# Altium PCB Shaheen.PcbDoc (part 4 of 4)
Units mm, origin at the board's own origin, x right, y up, seen from the top; angles counter-clockwise.
Board outline 102.4 x 144.2 mm, 4 copper layers (Top Layer, GND1, POWER, Bottom Layer), stack 0.89 mm thick; 163 components, 248 nets, 932 pads, 530 vias.
Unrouted connection lines stored in the file: 1.
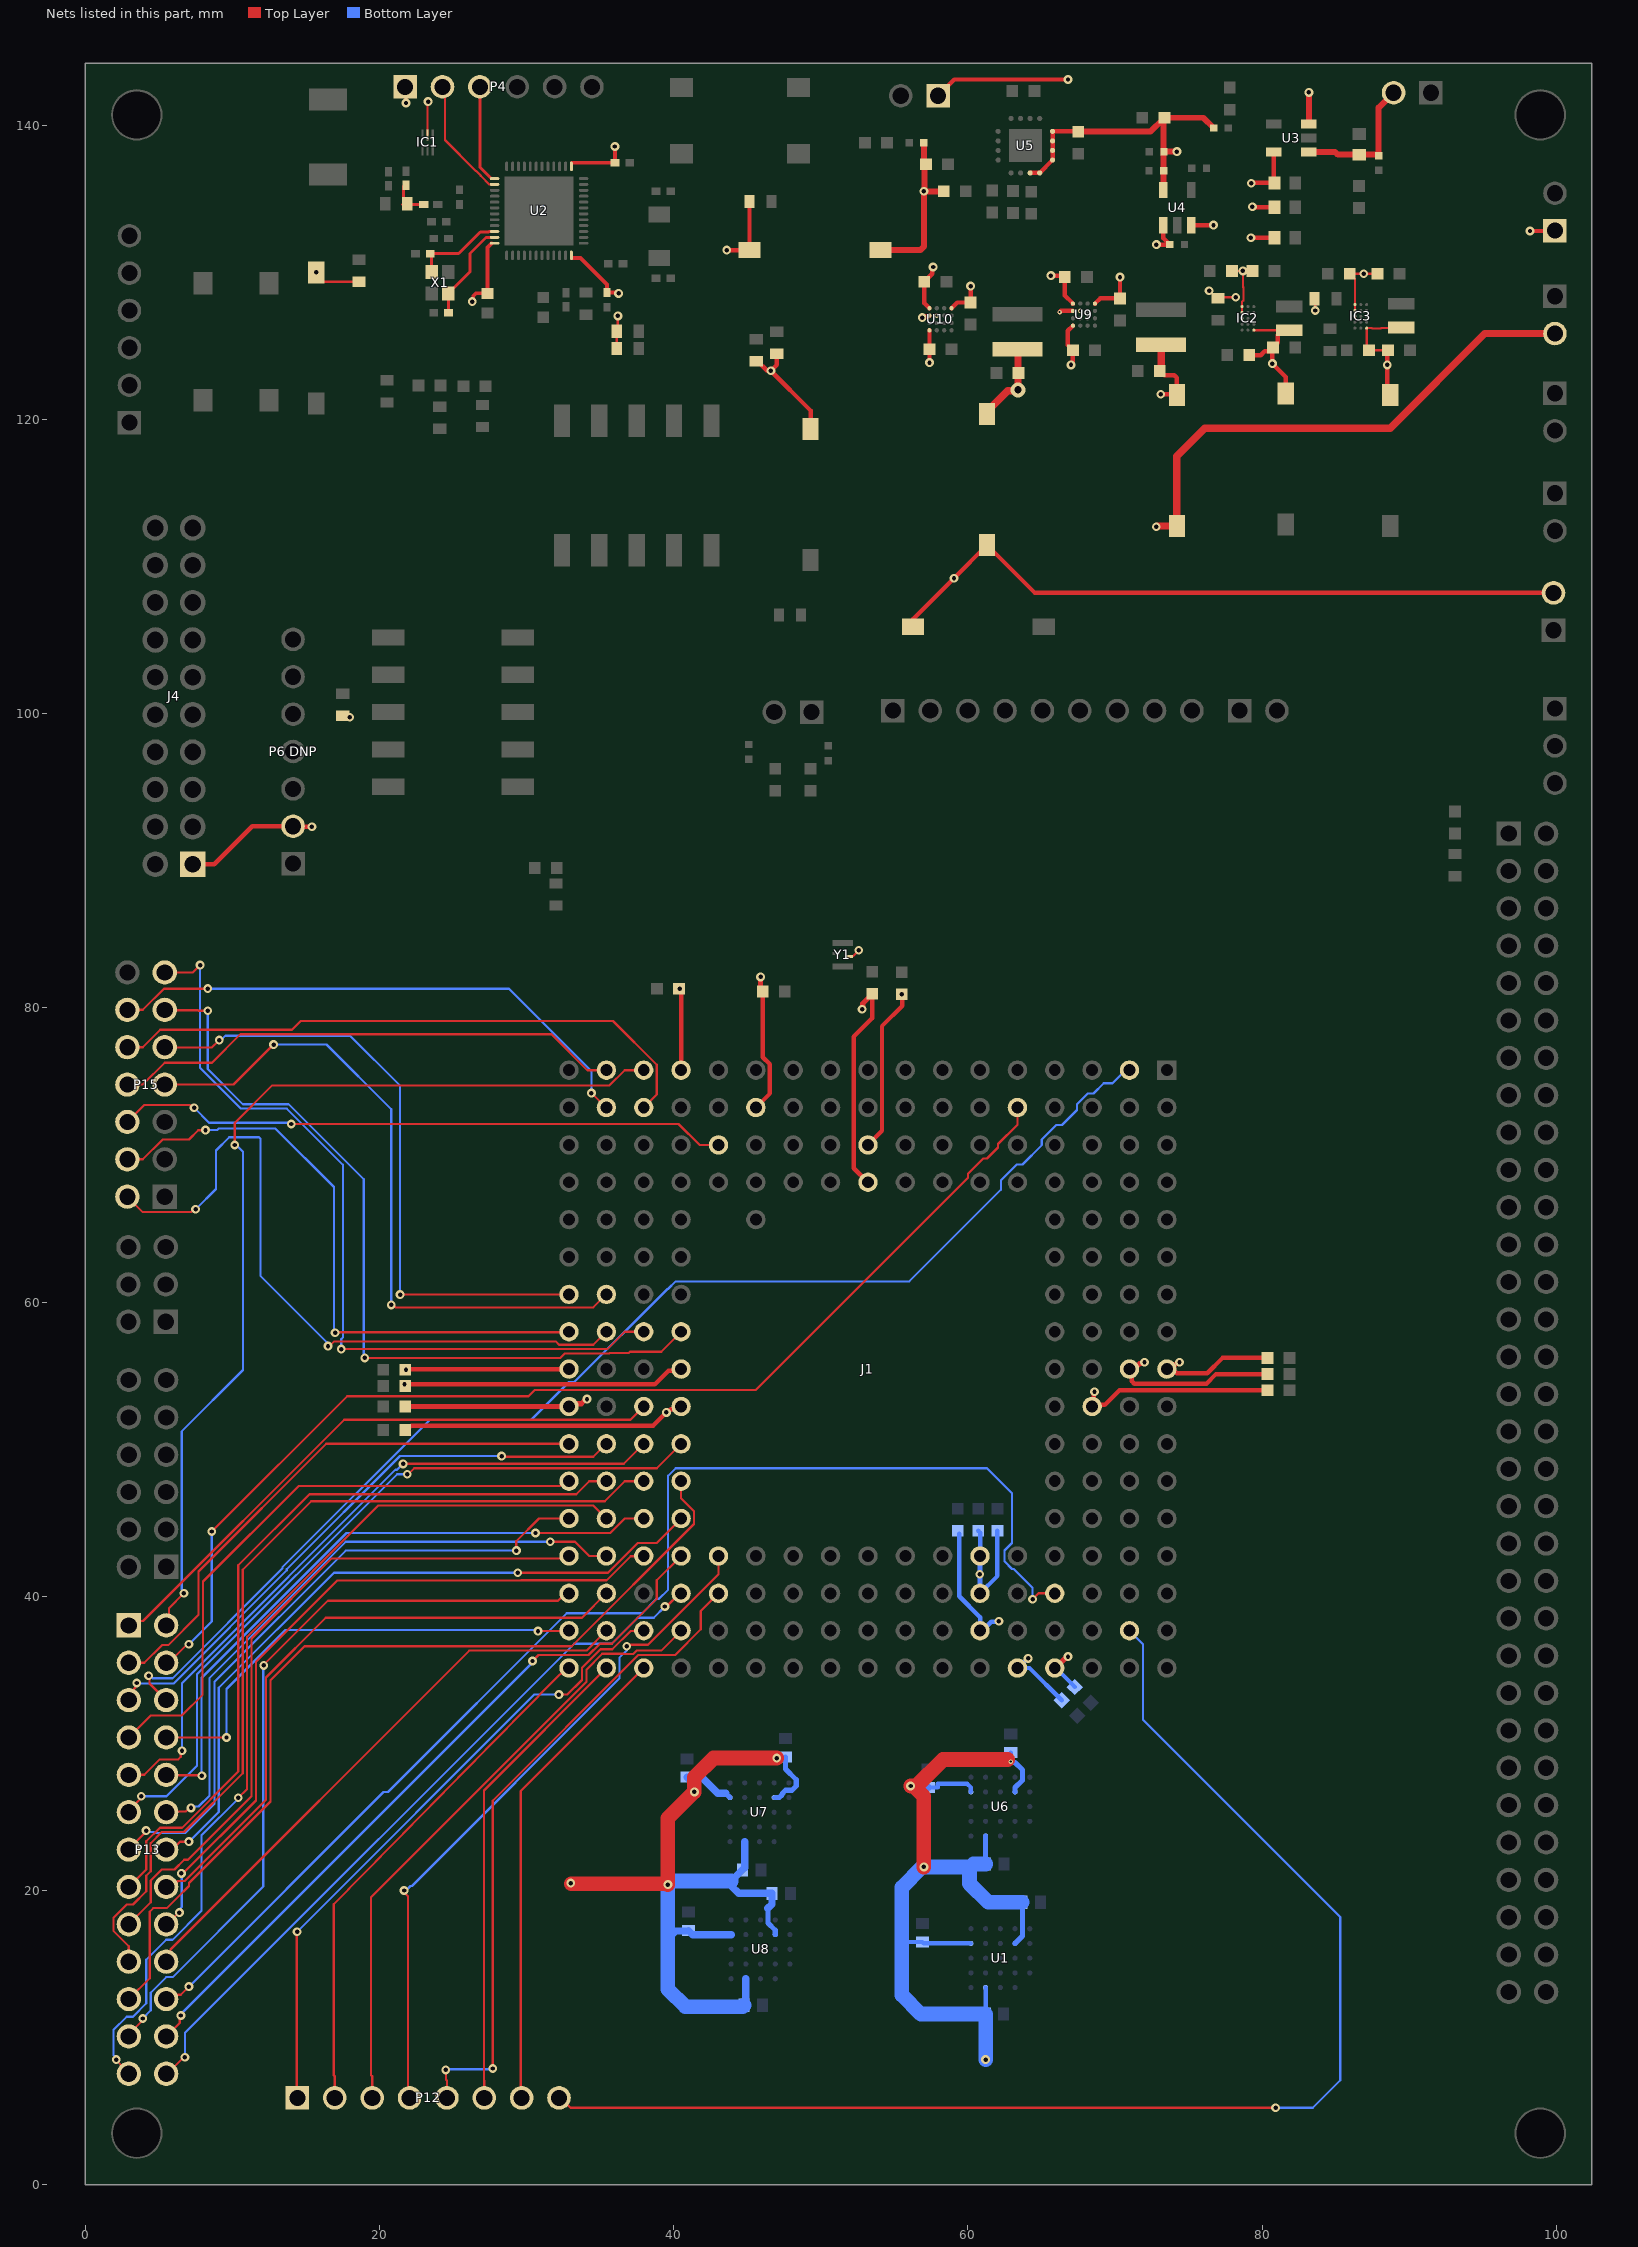
[diagram p6: the nets of this part, all layers, seen from the top]

## Via types
v1: diameter 0.6, hole 0.3, Top Layer to Bottom Layer, tented both sides, 440 vias
v2: diameter 0.3, hole 0.15, Top Layer to Bottom Layer, tented both sides, 87 vias
v3: diameter 1, hole 0.5, Top Layer to Bottom Layer, tented both sides, 2 vias
v4: diameter 0.3, hole 0.15, Top Layer to Bottom Layer, 1 vias

## Nets (pads, with @x,y where several pads share a name; then routed paths per layer and width w, separated by ;. In a path a pad name is that pad's centre, name@x,y a point inside that pad or via, vN(x,y) a via of type N, cw(c..) or ccw(c..) an arc to the next point about the centre after c; other vN are vias at no path point) (continued)
PAD_GPIO_E3: J1.B7 P15.7 | length 46.8
  Top Layer w0.15: P15.7@5.494,74.686 P15.7@5.4,74.78 10.08,74.78 v1(12.8,77.5) ; v1(20.8,59.8) 20.922,59.8 21.085,59.637 34.537,59.637 J1.B7@35.42,60.52
  Bottom Layer w0.15: v1(12.8,77.5) 16.4,77.5 20.8,73.1 v1(20.8,59.8)
PAD_GPIO_E4: J1.A7 P15.9 | length 43.4
  Top Layer w0.15: P15.9@5.4,77.32 5.41,77.31 8.61,77.31 v1(9.1,77.8) ; v1(21.4,60.5) 21.41,60.51 32.87,60.51 J1.A7@32.88,60.52
  Bottom Layer w0.15: v1(9.1,77.8) 9.222,77.8 9.522,78.1 18,78.1 21.4,74.7 v1(21.4,60.5)
PAD_GPIO_E5: J1.D8 P15.11 | length 55
  Top Layer w0.15: P15.11@5.4,79.86 5.43,79.83 7.67,79.83 7.7,79.8 v1(8.325,79.8) ; v1(19,56.2) 32.287,56.2 32.584,56.497 35.61,56.497 35.638,56.525 36.929,56.525 37.027,56.623 39.143,56.623 J1.D8@40.5,57.98
  Bottom Layer w0.15: v1(8.325,79.8) 8.325,75.833 10.711,73.446 13.821,73.446 18.925,68.342 18.925,56.275 v1(19,56.2)
PAD_GPIO_E6: J1.C8 P15.13 | length 55.6
  Top Layer w0.15: P15.13@5.4,82.4 7.3,82.4 v1(7.8,82.9) ; v1(17.4,56.8) 25.729,56.8 25.732,56.797 35.486,56.797 36.669,57.98 J1.C8@37.96,57.98
  Bottom Layer w0.15: v1(7.8,82.9) 7.8,75.933 10.587,73.146 13.696,73.146 17.508,69.334 17.508,57.582 17.4,57.474 v1(17.4,56.8)
PAD_GPIO_E7: J1.B8 P15.2 | length 48.7
  Top Layer w0.15: P15.2@2.86,67.16 3.91,66.11 7.188,66.11 7.378,66.3 v1(7.5,66.3) ; v1(16.5,57) 16.592,57 16.917,57.325 31.975,57.325 32.203,57.097 34.537,57.097 J1.B8@35.42,57.98
  Bottom Layer w0.15: v1(7.5,66.3) 8.889,67.689 8.889,70.298 9.791,71.2 11.812,71.2 11.9,71.112 11.9,61.788 16.414,57.274 16.414,57.086 v1(16.5,57)
PAD_GPIO_E8: J1.A8 P15.4 | length 42.4
  Top Layer w0.15: P15.4@2.86,69.7 3.915,69.7 5.266,71.05 7.05,71.05 7.675,71.675 8.16,71.675 v1(8.174,71.689) ; v1(16.983,57.917) 17.015,57.948 32.848,57.948 J1.A8@32.88,57.98
  Bottom Layer w0.15: v1(8.174,71.689) 8.964,71.689 9.076,71.8 12.917,71.8 16.9,67.817 16.9,58 v1(16.983,57.917)
PAD_GPIO_E9: J1.E3 P15.6 | length 41.8
  Top Layer w0.15: P15.6@2.86,72.24 4.02,73.4 7.087,73.4 7.287,73.2 v1(7.4,73.2) ; v1(14,72.1) 40.329,72.1 41.749,70.68 J1.E3@43.04,70.68
  Bottom Layer w0.15: v1(7.4,73.2) 8.414,72.186 13.914,72.186 v1(14,72.1)
PAD_GPIO_E10: J1.B1 P15.8 | length 35
  Top Layer w0.15: P15.8@2.86,74.78 3.915,74.78 5.405,76.27 8.612,76.27 10.542,78.2 31.689,78.2 34.129,75.76 J1.B1@35.42,75.76
PAD_GPIO_E11: J1.C2 P15.10 | length 41.2
  Top Layer w0.15: P15.10@2.86,77.32 3.915,77.32 5.095,78.5 14.054,78.5 14.654,79.1 35.869,79.1 38.843,76.126 38.843,74.103 J1.C2@37.96,73.22
PAD_GPIO_E12: J1.B2 P15.12 | length 37.4
  Top Layer w0.15: P15.12@2.86,79.86 3.915,79.86 5.355,81.3 v1(8.325,81.3) ; v1(34.4,74.2) 34.42,74.2 35.4,73.22 J1.B2@35.42,73.22
  Bottom Layer w0.15: v1(8.325,81.3) 28.8,81.3 34.4,75.7 v1(34.4,74.2)
PAD_GPIO_F0: J1.C10 P13.1 | length 41.2
  Top Layer w0.15: P13.1@2.96,38.02 3.262,38.322 3.922,38.322 17.594,51.994 37.054,51.994 J1.C10@37.96,52.9
PAD_GPIO_F1: J1.A11 P13.3 | length 37.8
  Top Layer w0.15: P13.3@2.96,35.48 4.015,35.48 5.211,36.676 5.641,36.676 7.7,38.735 7.7,41.676 16.384,50.36 J1.A11@32.88,50.36
PAD_GPIO_F2: J1.B11 P13.5 | length 40.1
  Top Layer w0.15: P13.5@2.96,32.94 2.96,33.346 3.414,33.8 3.414,34.014 v1(3.5,34.1) ; v1(28.3,49.528) 28.351,49.477 34.537,49.477 J1.B11@35.42,50.36
  Bottom Layer w0.15: v1(3.5,34.1) 3.525,34.075 6.004,34.075 13.695,41.766 13.695,41.837 21.386,49.528 v1(28.3,49.528)
PAD_GPIO_F3: J1.A12 P13.7 | length 41.6
  Top Layer w0.15: P13.7@2.96,30.4 4.45,31.89 6.566,31.89 7.975,33.299 7.975,36.425 8,36.45 8,41 14.5,47.5 32.245,47.5 32.565,47.82 J1.A12@32.88,47.82
PAD_GPIO_F4: J1.C11 P13.9 | length 47.2
  Top Layer w0.15: P13.9@2.96,27.86 4.015,27.86 5.065,28.91 6.316,28.91 6.489,29.082 6.489,29.414 v1(6.575,29.5) ; v1(21.6,49) 21.603,49.003 36.603,49.003 J1.C11@37.96,50.36
  Bottom Layer w0.15: v1(6.575,29.5) 6.575,34.09 21.077,48.592 21.192,48.592 v1(21.6,49)
PAD_GPIO_F5: J1.D11 P13.11 | length 51.7
  Top Layer w0.15: P13.11@2.96,25.32 2.96,25.44 3.8,26.28 v1(3.8,26.4) ; v1(21.89,48.292) 21.952,48.292 22.364,48.703 38.843,48.703 J1.D11@40.5,50.36
  Bottom Layer w0.15: v1(3.8,26.4) 5.525,26.4 7.6,28.475 7.6,34.691 21.201,48.292 v1(21.89,48.292)
PAD_GPIO_F6: J1.A13 P13.13 | length 44.7
  Top Layer w0.15: P13.13@2.96,22.78 3.07,22.78 3.07,22.946 4.134,24.01 v1(4.134,24.066) ; v1(29.3,43.1) 29.3,43.742 30.838,45.28 J1.A13@32.88,45.28
  Bottom Layer w0.15: v1(4.134,24.066) 4.22,23.98 4.654,23.98 4.734,23.9 6.8,23.9 8.775,25.875 8.775,34.175 17.7,43.1 v1(29.3,43.1)
PAD_GPIO_F7: J1.B12 P13.15 | length 53.2
  Top Layer w0.15: P13.15@2.96,20.24 4.15,21.43 4.15,23.339 5.081,24.27 6.582,24.27 10.4,28.088 10.4,42.1 15.238,46.938 15.362,46.938 ; 15.363,46.937 33.368,46.937 34.251,47.82 J1.B12@35.42,47.82
PAD_GPIO_F8: J1.A14 P13.17 | length 47.4
  Top Layer w0.15: P13.17@2.96,17.7 4.45,19.19 4.45,20.675 5.205,21.43 6.059,21.43 6.723,22.094 6.982,22.094 11.3,26.412 11.3,37.124 16.751,42.575 32.715,42.575 J1.A14@32.88,42.74
PAD_GPIO_F9: J1.C12 P13.19 | length 61.6
  Top Layer w0.15: P13.19@2.96,15.16 2.96,16.215 1.91,17.265 1.91,18.135 2.815,19.04 3.245,19.04 4.15,19.945 4.15,21.006 4.45,21.306 4.45,23.215 5.205,23.97 6.706,23.97 10.7,27.964 10.7,41.8 15.363,46.463 35.312,46.463 36.669,47.82 J1.C12@37.96,47.82
PAD_GPIO_F10: J1.D12 P13.21 | length 62.7
  Top Layer w0.15: P13.21@2.96,12.62 4.376,14.036 4.376,18.56 4.616,18.8 5.545,18.8 6.242,19.498 7.045,20.3 7.045,20.507 12.584,26.045 12.584,34.284 14.903,36.603 33.072,36.603 41.383,44.914 41.383,45.768 40.5,46.651 J1.D12@40.5,47.82
PAD_GPIO_F11: J1.A15 P13.23 | length 52.1
  Top Layer w0.15: P13.23@2.96,10.08 2.96,10.238 3.9,11.178 v1(3.9,11.3) ; v1(12.125,35.3) 12.125,35.337 16.488,39.7 32.131,39.7 32.631,40.2 J1.A15@32.88,40.2
  Bottom Layer w0.15: v1(3.9,11.3) 4.45,11.85 4.45,13.055 5.505,14.11 5.935,14.11 12.1,20.275 12.1,35.275 v1(12.125,35.3)
PAD_GPIO_F12: J1.B13 P13.25 | length 62.9
  Top Layer w0.15: v1(2.1,8.5) 2.1,8.45 2.96,7.59 P13.25@2.96,7.54 ; v1(10.4,26.3) 11,26.9 11,37.249 19.915,46.163 34.537,46.163 J1.B13@35.42,45.28
  Bottom Layer w0.15: v1(2.1,8.5) 2.1,8.622 1.91,8.812 1.91,10.515 2.815,11.42 3.245,11.42 4.15,12.325 4.15,15.295 5.505,16.65 5.935,16.65 7.904,18.62 7.904,23.746 10.4,26.242 v1(10.4,26.3)
PAD_GPIO_F13: J1.C1 P13.2 | length 66
  Top Layer w0.15: P13.2@5.5,38.02 5.692,38.212 5.692,39.192 v1(6.7,40.2) ; v1(10.16,70.675) 10.16,72.167 12.717,74.725 35.634,74.725 36.669,75.76 J1.C1@37.96,75.76
  Bottom Layer w0.15: v1(6.7,40.2) 6.7,40.322 6.55,40.472 6.55,51.208 10.725,55.383 10.725,70.21 10.26,70.675 v1(10.16,70.675)
PAD_GPIO_F14: J1.N2 P13.4 | length 78
  Top Layer w0.15: P13.4@5.5,35.48 5.67,35.48 6.923,36.733 v1(7.045,36.733) ; v1(8.599,44.401) 17.798,53.6 30.123,53.6 30.548,54.025 45.565,54.025 59.995,68.454 59.995,68.715 61.031,69.752 61.292,69.752 62.042,70.502 62.042,70.738 63.36,72.056 J1.N2@63.36,73.22
  Bottom Layer w0.15: v1(7.045,36.733) 8.599,38.287 v1(8.599,44.401)
PAD_GPIO_F15: J1.S1 P13.6 | length 86.9
  Top Layer w0.15: v1(4.3,34.6) 4.365,34.535 4.365,34.075 P13.6@5.5,32.94
  Bottom Layer w0.15: v1(4.3,34.6) 4.422,34.6 4.592,34.43 5.935,34.43 13.395,41.89 13.395,41.962 23.408,51.975 30.301,51.975 32.883,54.557 33.246,54.557 39.569,60.881 39.612,60.881 40.134,61.403 56.003,61.403 62.236,67.636 62.236,68.265 63.319,69.348 63.701,69.348 65.017,70.664 65.017,71.046 66.008,72.037 66.39,72.037 67.408,73.055 67.408,73.437 68.149,74.178 68.531,74.178 69.23,74.877 69.819,74.877 70.702,75.76 J1.S1@70.98,75.76
PAD_GPIO_F16: J1.A16 P13.8 | length 32.4
  Top Layer w0.15: P13.8@5.5,30.4 v1(9.6,30.4) ; v1(30.771,37.629) 30.786,37.645 32.865,37.645 J1.A16@32.88,37.66
  Bottom Layer w0.15: v1(9.6,30.4) 9.6,33.7 13.6,37.7 30.7,37.7 v1(30.771,37.629)
PAD_GPIO_F17: J1.C13 P13.10 | length 43.7
  Top Layer w0.15: P13.10@5.5,27.86 5.53,27.83 7.895,27.83 v1(7.925,27.8) ; v1(30.6,44.3) 35.689,44.3 36.669,45.28 J1.C13@37.96,45.28
  Bottom Layer w0.15: v1(7.925,27.8) 7.9,27.825 7.9,34.442 17.758,44.3 v1(30.6,44.3)
PAD_GPIO_F18: J1.B14 P13.12 | length 42.6
  Top Layer w0.15: P13.12@5.5,25.32 5.54,25.36 6.808,25.36 7.063,25.615 v1(7.185,25.615) ; v1(31.6,43.7) 33.291,43.7 34.251,42.74 J1.B14@35.42,42.74
  Bottom Layer w0.15: v1(7.185,25.615) 7.271,25.701 7.701,25.701 8.45,26.45 8.45,34.45 17.7,43.7 v1(31.6,43.7)
PAD_GPIO_F19: J1.D13 P13.14 | length 49.3
  Top Layer w0.15: P13.14@5.5,22.78 5.906,22.78 6.437,23.311 7.032,23.311 v1(7.045,23.324) ; v1(29.4,41.6) 35.529,41.6 37.552,43.623 38.843,43.623 40.4,45.18 40.4,45.2 40.48,45.28 J1.D13@40.5,45.28
  Bottom Layer w0.15: v1(7.045,23.324) 7.058,23.324 9.075,25.341 9.075,33.775 16.9,41.6 v1(29.4,41.6)
PAD_GPIO_F20: J1.B15 P13.16 | length 43.1
  Top Layer w0.15: P13.16@5.5,20.24 5.906,20.24 6.305,20.639 6.753,20.639 12.284,26.169 12.284,34.484 16.343,38.543 33.763,38.543 J1.B15@35.42,40.2
PAD_GPIO_F21: J1.C14 P13.18 | length 49.9
  Top Layer w0.15: P13.18@5.5,17.7 5.554,17.7 6.346,18.492 v1(6.4,18.492) ; v1(6.536,21.164) 6.648,21.164 11.6,26.117 11.6,35.542 17.133,41.075 29.617,41.075 29.625,41.083 35.436,41.083 37.077,42.724 37.944,42.724 J1.C14@37.96,42.74
  Bottom Layer w0.15: v1(6.4,18.492) 6.486,18.579 6.486,18.808 6.55,18.872 6.55,21.15 v1(6.536,21.164)
PAD_GPIO_F22: J1.B16 P13.20 | length 39.6
  Top Layer w0.15: P13.20@5.5,15.16 5.787,15.447 5.787,15.987 26.103,36.303 34.063,36.303 J1.B16@35.42,37.66
PAD_GPIO_F23: J1.P15 P13.22 | length 87.6
  Top Layer w0.15: P13.22@5.5,12.62 5.787,12.907 6.489,12.907 v1(7.045,13.463) ; v1(64.393,39.8) 64.793,40.2 J1.P15@65.9,40.2
  Bottom Layer w0.15: v1(7.045,13.463) 20.269,26.687 20.572,26.687 32.727,38.843 37.852,38.843 38.834,39.825 39,39.825 39.617,40.442 39.617,48.186 40.134,48.703 61.297,48.703 62.994,47.006 62.994,43.623 62.477,43.106 62.477,42.374 62.994,41.857 63.103,41.857 64.393,40.567 v1(64.393,39.8)
PAD_GPIO_F24: J1.D14 P13.24 | length 49.6
  Top Layer w0.15: P13.24@5.5,10.08 6.414,10.994 6.414,11.414 v1(6.5,11.5) ; v1(30.4,35.6) 30.803,36.003 34.206,36.003 34.98,36.777 35.786,36.777 38.843,39.834 38.843,41.083 J1.D14@40.5,42.74
  Bottom Layer w0.15: v1(6.5,11.5) 6.5,11.6 30.4,35.5 v1(30.4,35.6)
PAD_GPIO_F25: J1.D15 P13.26 | length 49.5
  Top Layer w0.15: P13.26@5.5,7.54 5.574,7.54 6.696,8.661 v1(6.77,8.661) ; v1(39.4,39.3) 39.5,39.3 40.4,40.2 J1.D15@40.5,40.2
  Bottom Layer w0.15: v1(6.77,8.661) 6.77,10.312 33.235,36.777 35.786,36.777 37.552,38.543 38.643,38.543 v1(39.4,39.3)
PAD_PWM0: J1.C16 P12.1 | length 43.8
  Top Layer w0.15: v1(14.4,17.2) 14.375,17.175 14.375,5.945 P12.1@14.42,5.9 ; v1(32.191,33.316) 32.767,33.316 33.763,34.312 33.763,35.136 35.017,36.39 35.823,36.39 37.077,37.644 37.944,37.644 J1.C16@37.96,37.66
  Bottom Layer w0.15: v1(14.4,17.2) 30.516,33.316 v1(32.191,33.316)
PAD_PWM1: J1.A17 P12.2 | length 35.9
  Top Layer w0.15: P12.2@16.96,5.9 16.96,7.375 16.89,7.445 16.89,19.068 31.896,34.329 32.203,34.637 J1.A17@32.88,35.12
PAD_PWM2: J1.D16 P12.3 | length 42.7
  Top Layer w0.15: P12.3@19.5,5.9 19.5,7.375 19.43,7.445 19.43,19.554 34.063,34.187 34.063,35.012 35.141,36.09 36.567,36.09 36.582,36.075 37.242,36.075 37.47,36.303 39.143,36.303 J1.D16@40.5,37.66
PAD_PWM3: J1.E14 P12.4 | length 46.8
  Top Layer w0.15: v1(21.671,20) 21.671,19.878 21.935,19.614 21.935,6.005 P12.4@22.04,5.9 ; v1(36.8,36.6) 36.904,36.704 38.253,36.704 43.04,41.491 J1.E14@43.04,42.74
  Bottom Layer w0.15: v1(21.671,20) 21.792,20 22.102,20.31 22.21,20.31 36.303,34.403 36.303,35.819 36.8,36.316 v1(36.8,36.6)
PAD_PWM4: J1.E15 P12.5 | length 45.3
  Top Layer w0.15: v1(24.5,7.8) 24.514,7.786 24.514,7.154 24.51,7.151 24.58,7.081 P12.5@24.58,5.9 ; v1(27.7,7.9) 27.7,26.109 37.594,36.003 40.092,36.003 41.841,37.753 41.841,39.001 J1.E15@43.04,40.2
  Bottom Layer w0.15: v1(24.5,7.8) 24.55,7.85 27.65,7.85 v1(27.7,7.9)
PAD_PWM5: J1.B17 P12.6 | length 32.7
  Top Layer w0.15: P12.6@27.12,5.9 27.12,7.08 27.1,7.1 27.1,26.8 J1.B17@35.42,35.12
PAD_PWM6: J1.C17 P12.7 | length 32.7
  Top Layer w0.15: P12.7@29.66,5.9 29.6,5.96 29.6,26.76 J1.C17@37.96,35.12
PAD_PWM7: J1.S16 P12.8 | length 90.6
  Top Layer w0.15: P12.8@32.2,5.9 32.308,5.9 32.979,5.229 v1(80.912,5.229)
  Bottom Layer w0.15: J1.S16@70.98,37.66 71.9,36.74 71.9,31.6 84.795,18.705 84.797,18.705 85.3,18.202 85.3,7.1 83.429,5.229 v1(80.912,5.229)
RF: L3.2 XX1.1 XX2.1 | length 2.7
  Top Layer w0.203: XX1.1@21.569,134.598 L3.2@23.007,134.598 ; XX2.1@21.644,135.872 21.644,134.65 XX1.1@21.67,134.624 ; XX2.1@21.771,135.872 XX2.1@21.801,135.902
SWDCLK: P4.3 U2.25 | length 6.8
  Top Layer w0.203: P4.3@26.82,142.623 26.82,137.15 27.602,136.367 U2.25@27.819,136.367
SWDIO: P4.2 U2.26 | length 8.3
  Top Layer w0.152: P4.2@24.28,142.6 24.443,142.437 24.443,138.979 26.544,136.878 26.566,136.878 26.874,136.57 26.874,136.548 27.455,135.967 U2.26@27.819,135.967
VCC_5: C29.2 P5.2 R22.1 U3.1 U3.3 | length 11.7
  Top Layer w0.203: v1@83.168,142.245 83.193,142.245 v1(83.174,142.225) ; U3.3@83.174,140.07 U3.3@83.381,140.07
  Top Layer w0.406: U3.1@83.174,138.17 84.956,138.17 85.138,137.989 C29.2@86.597,137.989 R22.1@87.689,137.989 ; U3.3@83.174,140.07 v1(83.174,142.225) ; R22.1@87.918,137.927 87.918,141.188 P5.2@88.937,142.207
VDD_1V8: "P6 DNP.2" C1.2 C2.2 C3.2 C4.2 C5.2 C6.2 C7.2 C8.2 C9.2 C24.1 C35.2 C36.2 C37.2 C39.2 C44.2 C55.1 C56.1 C57.1 C58.1 C59.2 C60.1 C61.1 C63.1 C64.1 IC1.2 J1.A9 J1.D1 J1.D9 J1.J3 J1.M14 J1.M15 J1.P17 J1.R10 J1.T9 J4.1 L4.2 P4.1 P17.1 R1.1 R2.1 R5.1 R8.2 R10.2 R11.2 R19.2 R21.2 R25.1 SW4.2 SW5.1 SW7.2 U1.B4 U1.D1 U1.E4 U6.B4 U6.D1 U6.E4 U7.B4 U7.D1 U7.E4 U8.B4 U8.D1 U8.E4 U9.B2 U9.D1 U10.B2 U10.D1 Y1.4 | length 253.7
  Top Layer w0.15: 14.103,92.32 14.123,92.34 ; v1@15.39,92.31 v1(15.4,92.3) ; SW7.2@15.696,130.186 v1(15.696,129.986) 15.696,129.825 16.171,129.35 R8.2@18.6,129.35 ; R5.1@17.5,99.85 R5.1@17.55,99.9 ; IC1.2@23.271,139.325 23.271,141.571 v1(23.3,141.6) ; J1.A9@32.81,55.37 J1.A9@32.88,55.44 ; v1(33,20.5) v1@33.05,20.45 ; R19.2@36.126,124.808 R21.2@36.126,125.991 36.2,126.065 v1(36.2,127.03) ; v1@39.55,20.45 v1(39.6,20.4) ; Y1.4@51.95,83.5 51.975,83.525 52.191,83.525 v1(52.575,83.909) ; C24.1@57,137.272 C24.1@57.037,137.235 ; U10.D1@57.381,126.054 U10.D1@57.384,126.052 ; J1.P17@65.9,35.12 J1.P17@65.96,35.12 ; v1@66.74,35.9 v1(66.8,35.9) ; J1.R10@68.42,52.92 J1.R10@68.44,52.9 ; v1(76.39,128.74) 76.89,128.24 76.95,128.3 v1(78.2,128.3) ; R11.2@83.55,128.2 83.6,128.15 v1(83.6,127.4) ; P17.1@99.87,132.8 P17.1@99.9,132.83
  Top Layer w0.3: J4.1@7.3,89.76 8.76,89.76 11.34,92.34 14.123,92.34 ; 14.123,92.32 14.133,92.31 v1@15.39,92.31 ; R5.1@17.55,99.9 17.65,99.8 17.925,99.8 v1(17.975,99.75) ; v1(21.7,54.4) 38.707,54.4 39.64,55.333 40.393,55.333 J1.D9@40.5,55.44 ; P4.1@21.74,142.6 21.8,142.54 v1(21.8,141.5) ; v1(21.8,55.4) 21.82,55.42 32.76,55.42 J1.A9@32.81,55.37 ; v1(40.4,81.3) 40.4,81.219 40.5,81.119 J1.D1@40.5,75.76 ; R1.1@45.6,123.95 45.7,123.95 46.35,123.3 v1(46.6,123.3) ; R2.1@47,124.45 47,123.7 v1(46.6,123.3) ; SW4.2@49.3,119.35 49.3,120.6 v1(46.6,123.3) ; J1.J3@53.2,70.68 54.158,71.638 54.158,78.758 55.527,80.127 C60.1@55.527,80.949 ; v1(57.381,123.854) C44.2@57.381,124.761 U10.D1@57.381,126.054 ; v1(67,123.7) 67,123.781 67.132,123.913 C39.2@67.132,124.701 66.782,125.051 66.782,126.018 U9.D1@67.132,126.368 ; J1.R10@68.42,52.92 J1.R10@68.44,52.92 ; v1(68.6,53.9) 68.543,53.843 68.543,53.206 J1.R10@68.634,53.114 ; J1.R10@68.655,53.094 J1.R10@68.564,53.004 ; v1(74.375,55.9) 74.318,55.843 74.198,55.843 73.795,55.44 J1.T9@73.52,55.44 73.714,55.246 74.118,55.246 74.204,55.16 76.26,55.16 77.3,56.2 C55.1@80.35,56.2 ; C56.1@80.35,54 70.3,54 69.304,53.004 J1.R10@68.564,53.004 ; v1(98.2,132.8) P17.1@99.87,132.8 ; J1.R10@68.564,53.004 68.544,53.004 J1.R10@68.44,52.9 68.461,52.9 J1.R10@68.564,53.004
  Top Layer w0.35: J1.P17@65.96,35.12 v1@66.74,35.9
  Top Layer w0.406: SW5.1@54.05,131.5 56.762,131.5 57,131.738 v1(57,135.5) ; C24.1@57,137.272 R25.1@57,138.8 ; C24.1@57.037,137.235 57.037,135.537 v1(57,135.5) ; L4.2@58.35,135.5 v1(57,135.5)
  Top Layer w1: v1@33.05,20.45 v1@39.55,20.45 ; v1(39.6,20.4) 39.6,24.9 v1(41.4,26.7) 41.4,27.7 42.7,29 v1(47,29) ; v1(56.1,27.1) v1@56.3,27.1 ; v1(57,21.6) 57,26.4 v1@56.3,27.1 ; 62.7,28.9 58.3,28.9 56.5,27.1 v1@56.3,27.1
  Bottom Layer w0.15: J1.M14@60.81,42.73 J1.M14@60.82,42.74 ; C1.2@61.175,11.6 C1.2@61.2,11.575
  Bottom Layer w0.3: 43.917,20.305 43.917,20.642 ; C7.2@44.775,12.2 C7.2@44.9,12.325 ; U7.B4@46.825,26.316 U7.B4@46.921,26.316 ; v1(47,29) 47.075,29.075 C6.2@47.6,29.075 ; 55.9,16.5 C2.2@56.9,16.5 57,16.4 U1.E4@60.2,16.4 ; C35.2@57.3,27 57.95,27 57.95,27.26 59.94,27.26 60.2,27 U6.E4@60.2,26.7 ; C57.1@60.7,44.45 60.82,44.33 J1.M14@60.82,42.74 ; J1.M15@60.82,40.2 62,41.38 C59.2@62,44.45 ; C1.2@61.175,11.6 61.2,11.625 U1.D1@61.2,13.4 ; v2(62.9,28.762) C36.2@62.9,29.375 ; J1.P17@65.9,35.12 65.98,35.12 C58.1@67.27,33.83
  Bottom Layer w0.35: 43.54,26.6 U7.E4@43.825,26.316 ; 46.4,18.8 46.4,17.793 46.9,17.293 U8.B4@46.9,17 ; U7.B4@46.921,26.316 47.174,26.316 47.349,26.492 47.349,26.565 47.576,26.791 47.592,26.791 47.617,26.816 48.032,26.816 48.324,27.109 48.324,27.523 47.6,28.248 C6.2@47.6,29.075 ; J1.M14@60.81,42.73 60.81,41.51 v1(60.8,41.5) 60.81,41.49 60.81,40.21 J1.M15@60.82,40.2 ; C37.2@61.2,21.8 U6.D1@61.2,23.7 ; v2(62.9,28.762) 62.962,28.7 63.2,28.7 63.7,28.2 63.7,27.493 63.2,26.993 U6.B4@63.2,26.7 ; U1.B4@63.2,16.4 63.7,16.9 63.7,19.175 C3.2@63.675,19.2